# KiCad board kicad.kicad_pcb
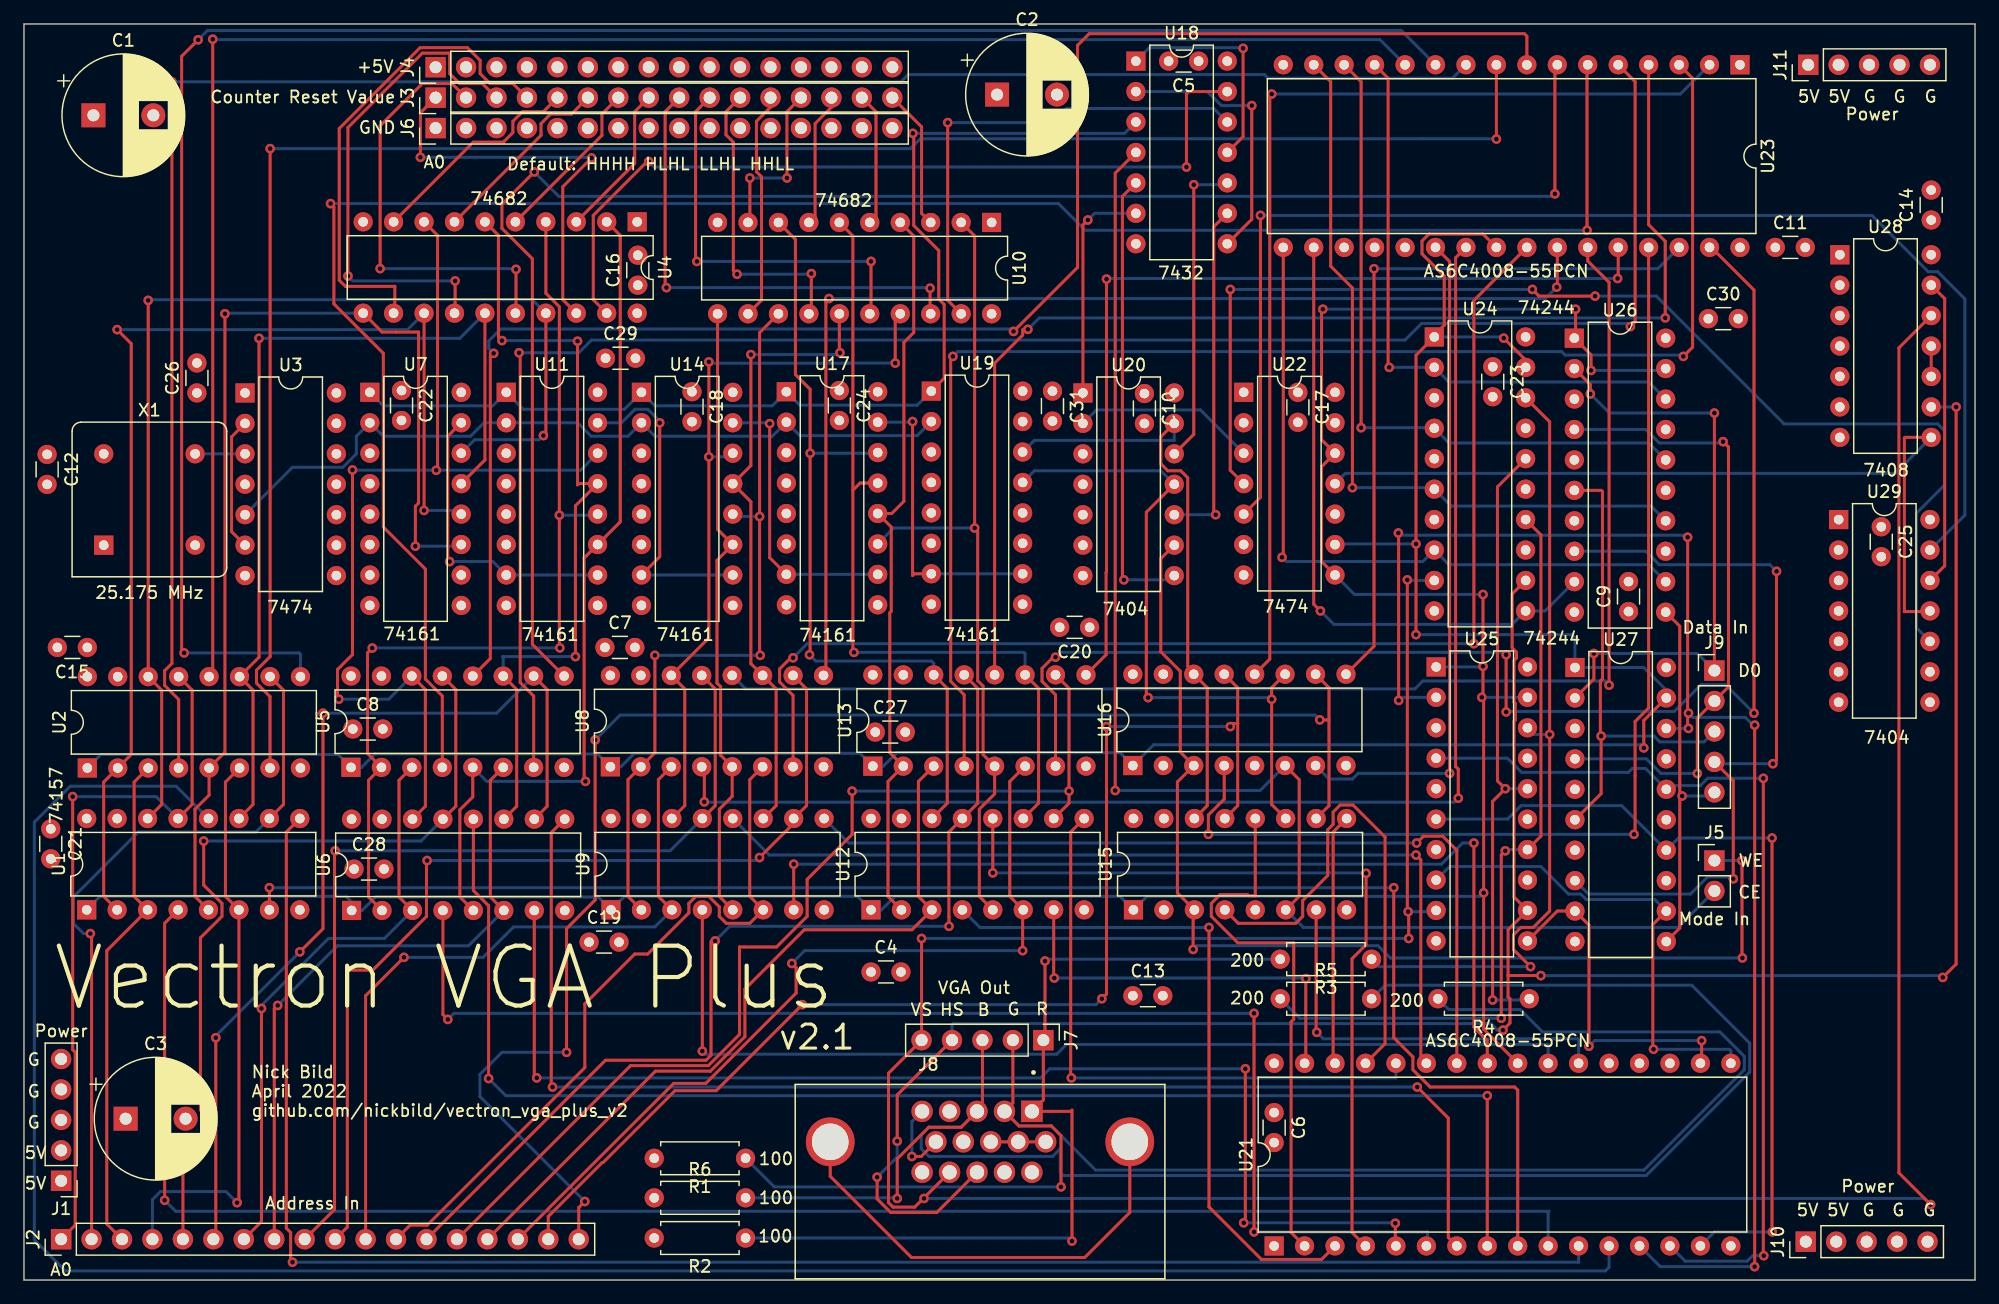
[diagram p0: board, top side]
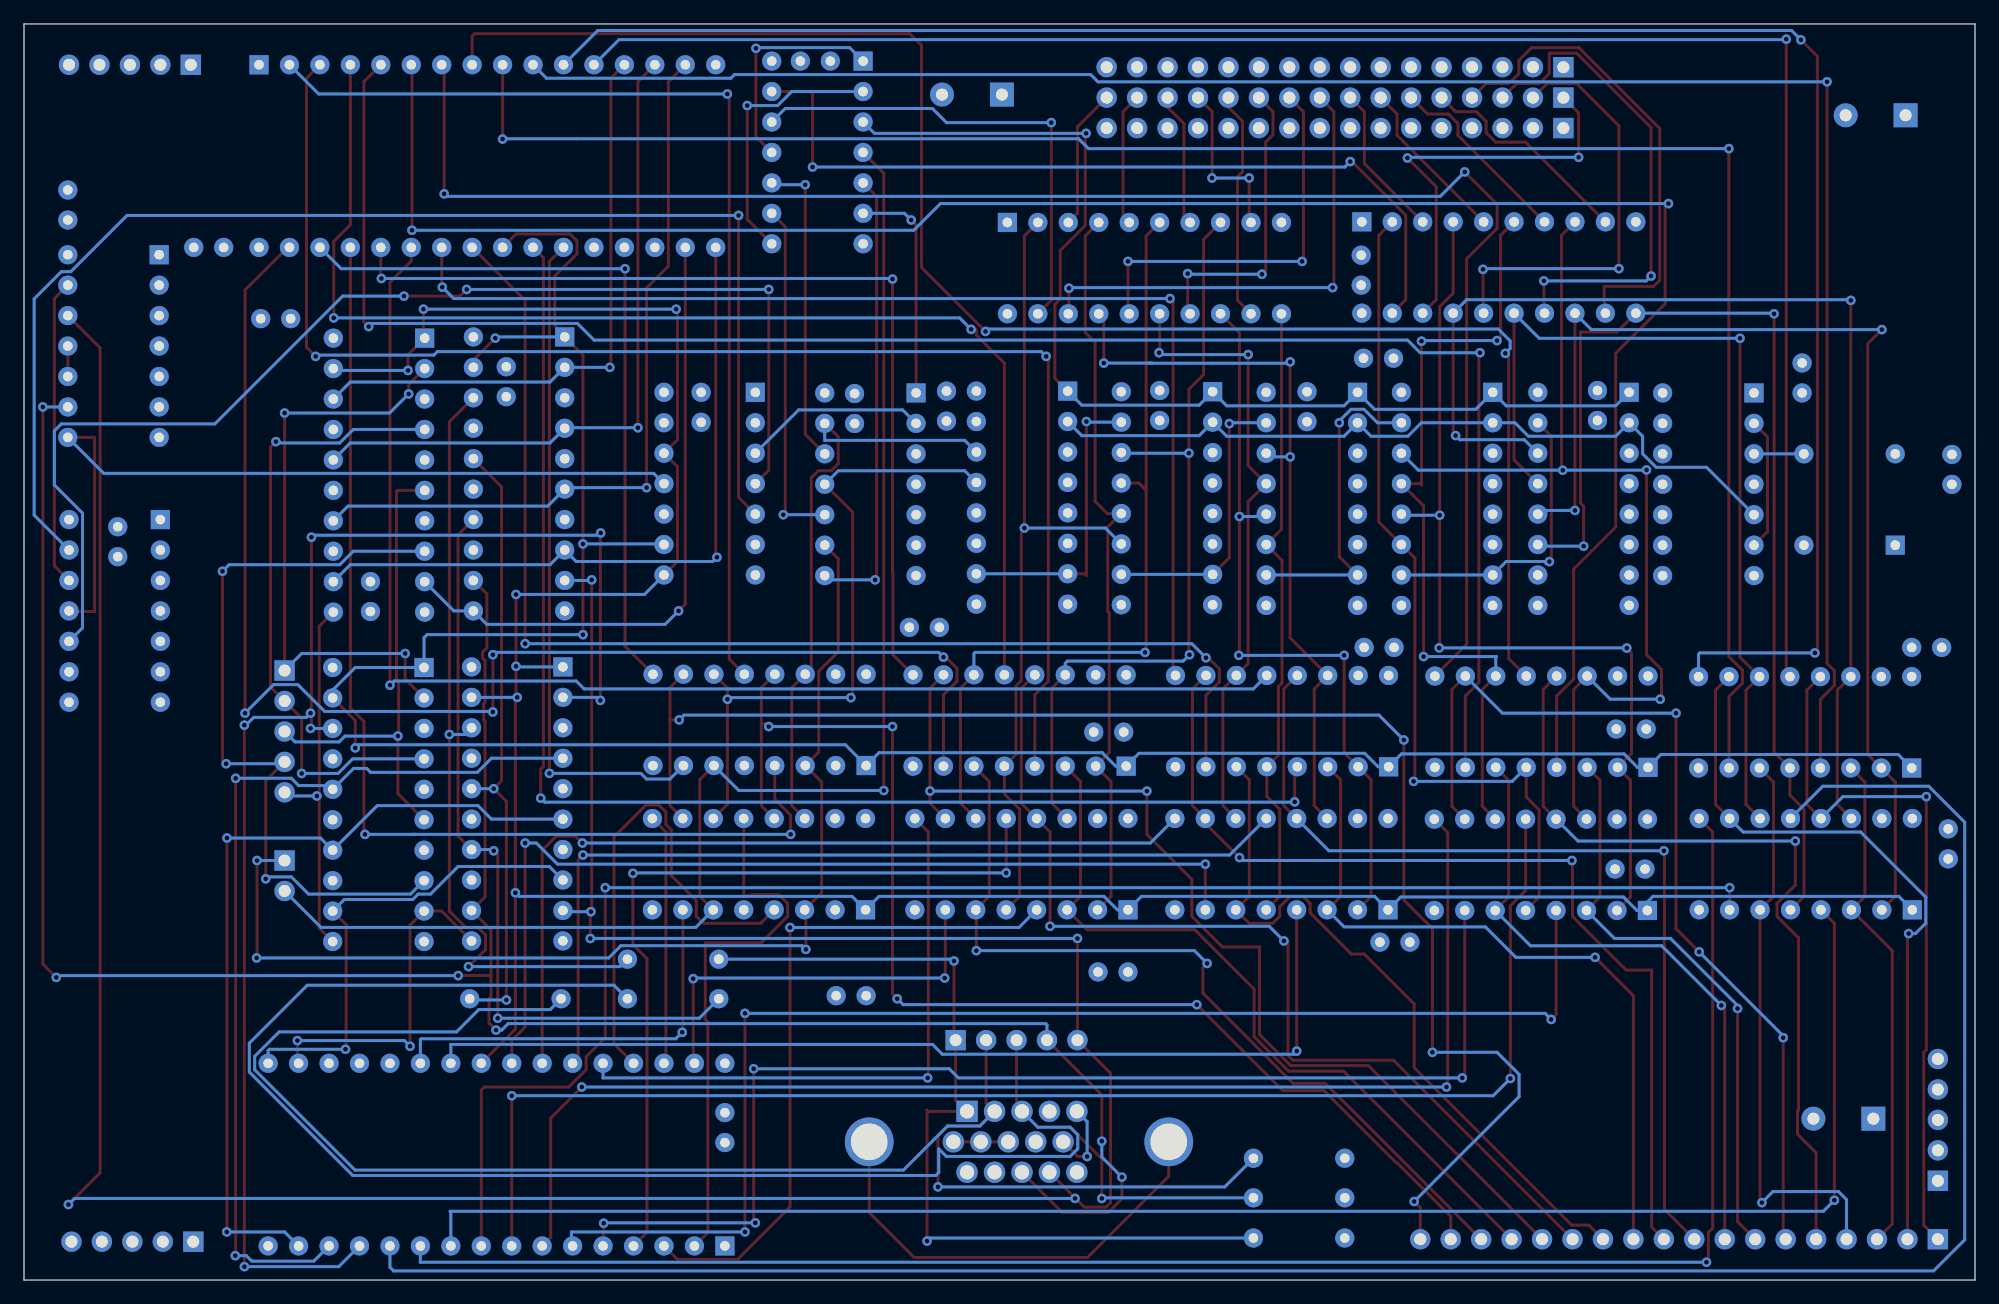
[diagram p1: board, bottom side, seen from below]

Outline 162.76 x 104.8 mm; copper layers: Top, GND (plane), PWR (plane), Bottom. Coordinates in mm from the lower left corner of the outline.
Outline path: 0,104.8 162.76,104.8 162.76,0 0,0 0,104.8

## Placement (name value [footprint] x y rotation side)
C1  CP  [CP_Radial_D10.0mm_P5.00mm]  5.79 97.18 0 top
C2  CP  [CP_Radial_D10.0mm_P5.00mm]  81.18 98.91 0 top
C3  CP  [CP_Radial_D10.0mm_P5.00mm]  8.48 13.46 0 top
C4  C  [C_Disc_D3.0mm_W1.6mm_P2.50mm]  70.66 25.7 0 top
C5  C  [C_Disc_D3.0mm_W1.6mm_P2.50mm]  97.99 101.7 180 top
C6  C  [C_Disc_D3.0mm_W1.6mm_P2.50mm]  104.29 13.97 270 top
C7  C  [C_Disc_D3.0mm_W1.6mm_P2.50mm]  48.46 52.78 0 top
C8  C  [C_Disc_D3.0mm_W1.6mm_P2.50mm]  27.43 45.97 0 top
C9  C  [C_Disc_D3.0mm_W1.6mm_P2.50mm]  133.86 55.78 90 top
C10  C  [C_Disc_D3.0mm_W1.6mm_P2.50mm]  93.47 73.96 270 top
C11  C  [C_Disc_D3.0mm_W1.6mm_P2.50mm]  146.1 86.16 0 top
C12  C  [C_Disc_D3.0mm_W1.6mm_P2.50mm]  1.93 68.88 270 top
C13  C  [C_Disc_D3.0mm_W1.6mm_P2.50mm]  92.51 23.72 0 top
C14  C  [C_Disc_D3.0mm_W1.6mm_P2.50mm]  159.11 88.44 90 top
C15  C  [C_Disc_D3.0mm_W1.6mm_P2.50mm]  5.28 52.78 180 top
C16  C  [C_Disc_D3.0mm_W1.6mm_P2.50mm]  51.21 83.01 90 top
C17  C  [C_Disc_D3.0mm_W1.6mm_P2.50mm]  106.27 74.07 270 top
C18  C  [C_Disc_D3.0mm_W1.6mm_P2.50mm]  55.73 74.12 270 top
C19  C  [C_Disc_D3.0mm_W1.6mm_P2.50mm]  47.14 28.19 0 top
C20  C  [C_Disc_D3.0mm_W1.6mm_P2.50mm]  88.9 54.46 180 top
C21  C  [C_Disc_D3.0mm_W1.6mm_P2.50mm]  2.24 37.64 270 top
C22  C  [C_Disc_D3.0mm_W1.6mm_P2.50mm]  31.5 74.22 270 top
C23  C  [C_Disc_D3.0mm_W1.6mm_P2.50mm]  122.53 76.2 270 top
C24  C  [C_Disc_D3.0mm_W1.6mm_P2.50mm]  68.02 74.22 270 top
C25  C  [C_Disc_D3.0mm_W1.6mm_P2.50mm]  154.94 62.85 270 top
C26  C  [C_Disc_D3.0mm_W1.6mm_P2.50mm]  14.43 74.02 90 top
C27  C  [C_Disc_D3.0mm_W1.6mm_P2.50mm]  71.02 45.72 0 top
C28  C  [C_Disc_D3.0mm_W1.6mm_P2.50mm]  27.53 34.29 0 top
C29  C  [C_Disc_D3.0mm_W1.6mm_P2.50mm]  48.51 76.91 0 top
C30  C  [C_Disc_D3.0mm_W1.6mm_P2.50mm]  140.51 80.21 0 top
C31  C  [C_Disc_D3.0mm_W1.6mm_P2.50mm]  85.8 74.17 270 top
J1  Power  [PinHeader_1x05_P2.54mm_Vertical]  3.1 8.28 180 top
J2  Address In  [PinHeader_1x18_P2.54mm_Vertical]  3.1 3.4 90 top
J3  Counter Reset Value  [PinHeader_1x16_P2.54mm_Vertical]  34.34 98.65 90 top
J4  5V  [PinHeader_1x16_P2.54mm_Vertical]  34.34 101.19 90 top
J5  Mode In  [PinHeader_1x02_P2.54mm_Vertical]  141.02 35 0 top
J6  GND  [PinHeader_1x16_P2.54mm_Vertical]  34.34 96.11 90 top
J7  VGA Out  [PinHeader_1x05_P2.54mm_Vertical]  85.04 20.02 270 top
J8  L77HDE15SD1CH4F  [AMPHENOL_L77HDE15SD1CH4F]  79.76 11.53 0 top
J9  Data In  [PinHeader_1x05_P2.54mm_Vertical]  141.02 50.85 0 top
J10  Power  [PinHeader_1x05_P2.54mm_Vertical]  148.64 3.2 90 top
J11  Power  [PinHeader_1x05_P2.54mm_Vertical]  148.84 101.4 90 top
R1  100  [R_Axial_DIN0207_L6.3mm_D2.5mm_P7.62mm_Horizontal]  60.2 10.16 180 top
R2  100  [R_Axial_DIN0207_L6.3mm_D2.5mm_P7.62mm_Horizontal]  60.2 3.51 180 top
R3  200  [R_Axial_DIN0207_L6.3mm_D2.5mm_P7.62mm_Horizontal]  112.42 26.77 180 top
R4  200  [R_Axial_DIN0207_L6.3mm_D2.5mm_P7.62mm_Horizontal]  125.58 23.47 180 top
R5  200  [R_Axial_DIN0207_L6.3mm_D2.5mm_P7.62mm_Horizontal]  104.8 23.47 0 top
R6  100  [R_Axial_DIN0207_L6.3mm_D2.5mm_P7.62mm_Horizontal]  52.58 6.86 0 top
U1  74LS157  [DIP-16_W7.62mm]  5.23 30.89 90 top
U2  74LS157  [DIP-16_W7.62mm]  5.28 42.72 90 top
U3  SN74LS74AN  [DIP-14_W7.62mm]  18.44 74.02 0 top
U4  SN74LS682N  [DIP-20_W7.62mm]  51.16 88.29 270 top
U5  74LS157  [DIP-16_W7.62mm]  27.28 42.77 90 top
U6  74LS157  [DIP-16_W7.62mm]  27.33 30.84 90 top
U7  74LS161  [DIP-16_W7.62mm]  28.85 74.07 0 top
U8  74LS157  [DIP-16_W7.62mm]  48.92 42.82 90 top
U9  74LS157  [DIP-16_W7.62mm]  48.97 30.89 90 top
U10  SN74LS682N  [DIP-20_W7.62mm]  80.72 88.24 270 top
U11  74LS161  [DIP-16_W7.62mm]  40.23 74.07 0 top
U12  74LS157  [DIP-16_W7.62mm]  70.66 30.89 90 top
U13  74LS157  [DIP-16_W7.62mm]  70.82 42.88 90 top
U14  74LS161  [DIP-16_W7.62mm]  51.51 74.07 0 top
U15  74LS157  [DIP-16_W7.62mm]  92.56 30.89 90 top
U16  74LS157  [DIP-16_W7.62mm]  92.51 42.93 90 top
U17  74LS161  [DIP-16_W7.62mm]  63.6 74.12 0 top
U18  SN74HC32N  [DIP-14_W7.62mm]  92.76 101.7 0 top
U19  74LS161  [DIP-16_W7.62mm]  75.69 74.17 0 top
U20  SN74LS04N  [DIP-14_W7.62mm]  88.34 74.02 0 top
U21  AS6C4008-55PCN  [DIP-32_W15.24mm]  104.29 2.84 90 top
U22  SN74LS74AN  [DIP-14_W7.62mm]  101.75 74.07 0 top
U23  AS6C4008-55PCN  [DIP-32_W15.24mm]  143.15 101.4 270 top
U24  SN74LS244N  [DIP-20_W7.62mm]  117.65 78.69 0 top
U25  SN74LS244N  [DIP-20_W7.62mm]  117.81 51.16 0 top
U26  SN74LS244N  [DIP-20_W7.62mm]  129.34 78.59 0 top
U27  SN74LS244N  [DIP-20_W7.62mm]  129.39 51.1 0 top
U28  SN74LS08N  [DIP-14_W7.62mm]  151.49 85.55 0 top
U29  SN74LS04N  [DIP-14_W7.62mm]  151.38 63.45 0 top
X1  CXO_DIP8  [Oscillator_DIP-8]  6.65 61.32 0 top

## Footprints (pads in the part's own frame, mm; a bottom-side part is the same pattern mirrored in y, then rotated)
AMPHENOL_L77HDE15SD1CH4F
  rect 1.785x1.785 hole 1.19: 1(4.33,2.54)
  round 1.785 hole 1.19: 2(2.04,2.54) 3(-0.25,2.54) 4(-2.54,2.54) 5(-4.83,2.54) 6(5.475,0) 7(3.185,0) 8(0.895,0) 9(-1.395,0) 10(-3.685,0) 11(4.33,-2.54) 12(2.04,-2.54) 13(-0.25,-2.54) 14(-2.54,-2.54) 15(-4.83,-2.54)
  round 4.066 hole 3.05: S1(-12.495,0) S2(12.495,0)
C_Disc_D3.0mm_W1.6mm_P2.50mm
  round 1.6 hole 0.8: 1(0,0) 2(2.5,0)
CP_Radial_D10.0mm_P5.00mm
  rect 2x2 hole 1: 1(0,0)
  round 2 hole 1: 2(5,0)
DIP-14_W7.62mm
  rect 1.6x1.6 hole 0.8: 1(0,0)
  oval 1.6x1.6 hole 0.8: 2(0,-2.54) 3(0,-5.08) 4(0,-7.62) 5(0,-10.16) 6(0,-12.7) 7(0,-15.24) 8(7.62,-15.24) 9(7.62,-12.7) 10(7.62,-10.16) 11(7.62,-7.62) 12(7.62,-5.08) 13(7.62,-2.54) 14(7.62,0)
DIP-16_W7.62mm
  rect 1.6x1.6 hole 0.8: 1(0,0)
  oval 1.6x1.6 hole 0.8: 2(0,-2.54) 3(0,-5.08) 4(0,-7.62) 5(0,-10.16) 6(0,-12.7) 7(0,-15.24) 8(0,-17.78) 9(7.62,-17.78) 10(7.62,-15.24) 11(7.62,-12.7) 12(7.62,-10.16) 13(7.62,-7.62) 14(7.62,-5.08) 15(7.62,-2.54) 16(7.62,0)
DIP-20_W7.62mm
  rect 1.6x1.6 hole 0.8: 1(0,0)
  oval 1.6x1.6 hole 0.8: 2(0,-2.54) 3(0,-5.08) 4(0,-7.62) 5(0,-10.16) 6(0,-12.7) 7(0,-15.24) 8(0,-17.78) 9(0,-20.32) 10(0,-22.86) 11(7.62,-22.86) 12(7.62,-20.32) 13(7.62,-17.78) 14(7.62,-15.24) 15(7.62,-12.7) 16(7.62,-10.16) 17(7.62,-7.62) 18(7.62,-5.08) 19(7.62,-2.54) 20(7.62,0)
DIP-32_W15.24mm
  rect 1.6x1.6 hole 0.8: 1(0,0)
  oval 1.6x1.6 hole 0.8: 2(0,-2.54) 3(0,-5.08) 4(0,-7.62) 5(0,-10.16) 6(0,-12.7) 7(0,-15.24) 8(0,-17.78) 9(0,-20.32) 10(0,-22.86) 11(0,-25.4) 12(0,-27.94) 13(0,-30.48) 14(0,-33.02) 15(0,-35.56) 16(0,-38.1) 17(15.24,-38.1) 18(15.24,-35.56) 19(15.24,-33.02) 20(15.24,-30.48) 21(15.24,-27.94) 22(15.24,-25.4) 23(15.24,-22.86) 24(15.24,-20.32) 25(15.24,-17.78) 26(15.24,-15.24) 27(15.24,-12.7) 28(15.24,-10.16) 29(15.24,-7.62) 30(15.24,-5.08) 31(15.24,-2.54) 32(15.24,0)
Oscillator_DIP-8
  rect 1.6x1.6 hole 0.8: 1(0,0)
  round 1.6 hole 0.8: 4(7.62,0) 5(7.62,7.62) 8(0,7.62)
PinHeader_1x02_P2.54mm_Vertical
  rect 1.7x1.7 hole 1: 1(0,0)
  oval 1.7x1.7 hole 1: 2(0,-2.54)
PinHeader_1x05_P2.54mm_Vertical
  rect 1.7x1.7 hole 1: 1(0,0)
  oval 1.7x1.7 hole 1: 2(0,-2.54) 3(0,-5.08) 4(0,-7.62) 5(0,-10.16)
PinHeader_1x16_P2.54mm_Vertical
  rect 1.7x1.7 hole 1: 1(0,0)
  oval 1.7x1.7 hole 1: 2(0,-2.54) 3(0,-5.08) 4(0,-7.62) 5(0,-10.16) 6(0,-12.7) 7(0,-15.24) 8(0,-17.78) 9(0,-20.32) 10(0,-22.86) 11(0,-25.4) 12(0,-27.94) 13(0,-30.48) 14(0,-33.02) 15(0,-35.56) 16(0,-38.1)
PinHeader_1x18_P2.54mm_Vertical
  rect 1.7x1.7 hole 1: 1(0,0)
  oval 1.7x1.7 hole 1: 2(0,-2.54) 3(0,-5.08) 4(0,-7.62) 5(0,-10.16) 6(0,-12.7) 7(0,-15.24) 8(0,-17.78) 9(0,-20.32) 10(0,-22.86) 11(0,-25.4) 12(0,-27.94) 13(0,-30.48) 14(0,-33.02) 15(0,-35.56) 16(0,-38.1) 17(0,-40.64) 18(0,-43.18)
R_Axial_DIN0207_L6.3mm_D2.5mm_P7.62mm_Horizontal
  round 1.6 hole 0.8: 1(0,0)
  oval 1.6x1.6 hole 0.8: 2(7.62,0)

## Nets
+5V: C1.1 C2.1 C3.1 C4.1 C5.1 C6.1 C7.1 C8.1 C9.1 C10.1 C11.1 C12.1 C13.1 C14.1 C15.1 C16.1 C17.1 C18.1 C19.1 C20.1 C21.1 C22.1 C23.1 C24.1 C25.1 C26.1 C27.1 C28.1 C29.1 C30.1 C31.1 J1.1 J1.2 J4.1 J4.2 J4.3 J4.4 J4.5 J4.6 J4.7 J4.8 J4.9 J4.10 J4.11 J4.12 J4.13 J4.14 J4.15 J4.16 J10.1 J10.2 J11.1 J11.2 U1.16 U2.16 U3.1 U3.4 U3.14 U4.20 U5.16 U6.16 U7.7 U7.9 U7.10 U7.16 U8.16 U9.16 U10.20 U11.9 U11.16 U12.16 U13.16 U14.9 U14.16 U15.2 U15.16 U16.2 U16.16 U17.9 U17.16 U18.14 U19.9 U19.16 U20.14 U21.32 U22.1 U22.10 U22.13 U22.14 U23.32 U24.20 U25.20 U26.20 U27.20 U28.14 U29.14 X1.8
GND: C1.2 C2.2 C3.2 C4.2 C5.2 C6.2 C7.2 C8.2 C9.2 C10.2 C11.2 C12.2 C13.2 C14.2 C15.2 C16.2 C17.2 C18.2 C19.2 C20.2 C21.2 C22.2 C23.2 C24.2 C25.2 C26.2 C27.2 C28.2 C29.2 C30.2 C31.2 J1.3 J1.4 J1.5 J6.1 J6.2 J6.3 J6.4 J6.5 J6.6 J6.7 J6.8 J6.9 J6.10 J6.11 J6.12 J6.13 J6.14 J6.15 J6.16 J8.5 J8.6 J8.7 J8.8 J8.10 J10.3 J10.4 J10.5 J11.3 J11.4 J11.5 R1.2 R2.2 R6.1 U1.8 U1.15 U2.8 U2.15 U3.7 U4.10 U5.8 U5.15 U6.8 U6.15 U7.8 U8.8 U8.15 U9.8 U9.15 U10.10 U11.8 U12.8 U12.15 U13.8 U13.15 U14.8 U15.5 U15.8 U15.15 U16.5 U16.8 U16.15 U17.8 U18.7 U19.8 U20.7 U21.1 U21.16 U22.2 U22.7 U23.1 U23.16 U24.10 U25.10 U26.10 U27.10 U28.7 U29.7 X1.4
Net-(J2-Pad1): J2.1 U1.13 U2.13
Net-(J2-Pad2): J2.2 U1.10 U2.10
Net-(J2-Pad3): J2.3 U1.3 U2.3
Net-(J2-Pad4): J2.4 U1.6 U2.6
Net-(J2-Pad5): J2.5 U5.13 U6.13
Net-(J2-Pad6): J2.6 U5.10 U6.10
Net-(J2-Pad7): J2.7 U5.3 U6.3
Net-(J2-Pad8): J2.8 U5.6 U6.6
Net-(J2-Pad9): J2.9 U8.13 U9.13
Net-(J2-Pad10): J2.10 U8.10 U9.10
Net-(J2-Pad11): J2.11 U8.3 U9.3
Net-(J2-Pad12): J2.12 U8.6 U9.6
Net-(J2-Pad13): J2.13 U12.13 U13.13
Net-(J2-Pad14): J2.14 U12.10 U13.10
Net-(J2-Pad15): J2.15 U12.3 U13.3
Net-(J2-Pad16): J2.16 U12.6 U13.6
Net-(J2-Pad17): J2.17 U15.13 U16.13
Net-(J2-Pad18): J2.18 U15.10 U16.10
Net-(J3-Pad1): J3.1 U4.18
Net-(J3-Pad2): J3.2 U4.16
Net-(J3-Pad3): J3.3 U4.14
Net-(J3-Pad4): J3.4 U4.12
Net-(J3-Pad5): J3.5 U4.9
Net-(J3-Pad6): J3.6 U4.7
Net-(J3-Pad7): J3.7 U4.5
Net-(J3-Pad8): J3.8 U4.3
Net-(J3-Pad9): J3.9 U10.18
Net-(J3-Pad10): J3.10 U10.16
Net-(J3-Pad11): J3.11 U10.14
Net-(J3-Pad12): J3.12 U10.12
Net-(J3-Pad13): J3.13 U10.9
Net-(J3-Pad14): J3.14 U10.7
Net-(J3-Pad15): J3.15 U10.5
Net-(J3-Pad16): J3.16 U10.3
Net-(J5-Pad1): J5.1 U15.3 U16.3 U20.9
Net-(J5-Pad2): J5.2 U15.6 U16.6 U18.4
Net-(J7-Pad1): J7.1 J8.1 R2.1 R3.2
Net-(J7-Pad2): J7.2 J8.2 R1.1 R4.2
Net-(J7-Pad3): J7.3 J8.3 R5.2 R6.2
Net-(J7-Pad4): J7.4 J8.13 U24.12 U25.12 U28.9
Net-(J7-Pad5): J7.5 J8.14 U24.9 U25.9 U28.12
Net-(J8-Pad4): J8.4
Net-(J8-Pad9): J8.9
Net-(J8-Pad11): J8.11
Net-(J8-Pad12): J8.12
Net-(J8-Pad15): J8.15
Net-(J8-PadS1): J8.S1 J8.S2
Net-(J9-Pad1): J9.1 U26.2 U27.2
Net-(J9-Pad2): J9.2 U26.4 U27.4
Net-(J9-Pad3): J9.3 U26.6 U27.6
Net-(J9-Pad4): J9.4 U26.8 U27.8
Net-(J9-Pad5): J9.5 U26.11 U27.11
Net-(R3-Pad1): R3.1 U24.18 U25.18
Net-(R4-Pad1): R4.1 U24.16 U25.16
Net-(R5-Pad1): R5.1 U24.14 U25.14
Net-(U1-Pad1): U1.1 U6.1 U9.1 U12.1 U15.1 U21.24 U22.8 U22.12 U25.1 U25.19 U26.1 U26.19
Net-(U1-Pad2): U1.2 U2.2 U4.13 U7.12
Net-(U1-Pad4): U1.4 U21.10
Net-(U1-Pad5): U1.5 U2.5 U4.11 U7.11
Net-(U1-Pad7): U1.7 U21.9
Net-(U1-Pad9): U1.9 U21.11
Net-(U1-Pad11): U1.11 U2.11 U4.15 U7.13
Net-(U1-Pad12): U1.12 U21.12
Net-(U1-Pad14): U1.14 U2.14 U4.17 U7.14
Net-(U2-Pad4): U2.4 U23.10
Net-(U2-Pad7): U2.7 U23.9
Net-(U2-Pad9): U2.9 U23.11
Net-(U2-Pad12): U2.12 U23.12
Net-(U3-Pad2): U3.2 U3.6
Net-(U3-Pad3): U3.3 X1.5
Net-(U3-Pad8): U3.8
Net-(U3-Pad9): U3.9
Net-(U3-Pad10): U3.10
Net-(U3-Pad11): U3.11
Net-(U3-Pad12): U3.12
Net-(U3-Pad13): U3.13
Net-(U4-Pad1): U4.1
Net-(U7-Pad3): U7.3
Net-(U7-Pad4): U7.4
Net-(U7-Pad5): U7.5
Net-(U7-Pad6): U7.6
Net-(U10-Pad1): U10.1
Net-(U10-Pad2): U10.2 U12.5 U13.5 U17.11
Net-(U10-Pad4): U10.4 U12.2 U13.2 U17.12
Net-(U10-Pad6): U10.6 U12.11 U13.11 U17.13
Net-(U10-Pad8): U10.8 U12.14 U13.14 U17.14
Net-(U10-Pad11): U8.5 U9.5 U10.11 U14.11
Net-(U10-Pad13): U8.2 U9.2 U10.13 U14.12
Net-(U10-Pad15): U8.11 U9.11 U10.15 U14.13
Net-(U10-Pad17): U8.14 U9.14 U10.17 U14.14
Net-(U10-Pad19): U10.19 U18.12
Net-(U11-Pad1): U7.1 U11.1 U14.1 U17.1 U18.3 U19.1
Net-(U11-Pad2): U3.5 U7.2 U11.2 U14.2 U17.2 U19.2
Net-(U11-Pad3): U11.3
Net-(U11-Pad4): U11.4
Net-(U11-Pad5): U11.5
Net-(U11-Pad6): U11.6
Net-(U11-Pad10): U7.15 U11.7 U11.10
Net-(U11-Pad11): U4.2 U5.5 U6.5 U11.11
Net-(U11-Pad12): U4.4 U5.2 U6.2 U11.12
Net-(U11-Pad13): U4.6 U5.11 U6.11 U11.13
Net-(U11-Pad14): U4.8 U5.14 U6.14 U11.14
Net-(U11-Pad15): U11.15 U14.7 U14.10
Net-(U12-Pad4): U12.4 U21.3
Net-(U12-Pad7): U12.7 U21.31
Net-(U12-Pad9): U12.9 U21.28
Net-(U12-Pad12): U12.12 U21.4
Net-(U13-Pad1): U2.1 U5.1 U8.1 U13.1 U16.1 U22.9 U23.24 U24.1 U24.19 U27.1 U27.19
Net-(U13-Pad4): U13.4 U23.3
Net-(U13-Pad7): U13.7 U23.31
Net-(U13-Pad9): U13.9 U23.28
Net-(U13-Pad12): U13.12 U23.4
Net-(U14-Pad3): U14.3
Net-(U14-Pad4): U14.4
Net-(U14-Pad5): U14.5
Net-(U14-Pad6): U14.6
Net-(U14-Pad15): U14.15 U17.7 U17.10
Net-(U15-Pad4): U15.4 U21.29
Net-(U15-Pad7): U15.7 U21.22
Net-(U15-Pad9): U15.9 U21.30
Net-(U15-Pad11): U15.11 U16.11 U19.13 U20.11
Net-(U15-Pad12): U15.12 U21.2
Net-(U15-Pad14): U15.14 U16.14 U19.14 U20.13
Net-(U16-Pad4): U16.4 U23.29
Net-(U16-Pad7): U16.7 U23.22
Net-(U16-Pad9): U16.9 U23.30
Net-(U16-Pad12): U16.12 U23.2
Net-(U17-Pad3): U17.3
Net-(U17-Pad4): U17.4
Net-(U17-Pad5): U17.5
Net-(U17-Pad6): U17.6
Net-(U17-Pad15): U17.15 U19.7 U19.10
Net-(U18-Pad1): U18.1 U18.11
Net-(U18-Pad2): U18.2 U18.8
Net-(U18-Pad5): U18.5 U20.8
Net-(U18-Pad6): U18.6 U20.1
Net-(U18-Pad9): U18.9 U20.10
Net-(U18-Pad10): U18.10 U20.12
Net-(U18-Pad13): U4.19 U18.13
Net-(U19-Pad3): U19.3
Net-(U19-Pad4): U19.4
Net-(U19-Pad5): U19.5
Net-(U19-Pad6): U19.6
Net-(U19-Pad11): U19.11
Net-(U19-Pad12): U19.12
Net-(U19-Pad15): U19.15
Net-(U20-Pad2): U20.2 U22.3
Net-(U20-Pad3): U20.3
Net-(U20-Pad4): U20.4
Net-(U20-Pad5): U20.5
Net-(U20-Pad6): U20.6
Net-(U21-Pad5): U6.7 U21.5
Net-(U21-Pad6): U6.4 U21.6
Net-(U21-Pad7): U6.9 U21.7
Net-(U21-Pad8): U6.12 U21.8
Net-(U21-Pad13): U21.13 U25.2 U27.18
Net-(U21-Pad14): U21.14 U25.4 U27.16
Net-(U21-Pad15): U21.15 U25.6 U27.14
Net-(U21-Pad17): U21.17 U25.8 U27.12
Net-(U21-Pad18): U21.18 U25.11 U27.9
Net-(U21-Pad19): U21.19
Net-(U21-Pad20): U21.20
Net-(U21-Pad21): U21.21
Net-(U21-Pad23): U9.4 U21.23
Net-(U21-Pad25): U9.7 U21.25
Net-(U21-Pad26): U9.9 U21.26
Net-(U21-Pad27): U9.12 U21.27
Net-(U22-Pad4): U22.4 U29.10
Net-(U22-Pad5): U22.5 U29.13
Net-(U22-Pad6): U22.6
Net-(U22-Pad11): U22.11 U28.8 U29.11
Net-(U23-Pad5): U5.7 U23.5
Net-(U23-Pad6): U5.4 U23.6
Net-(U23-Pad7): U5.9 U23.7
Net-(U23-Pad8): U5.12 U23.8
Net-(U23-Pad13): U23.13 U24.2 U26.18
Net-(U23-Pad14): U23.14 U24.4 U26.16
Net-(U23-Pad15): U23.15 U24.6 U26.14
Net-(U23-Pad17): U23.17 U24.8 U26.12
Net-(U23-Pad18): U23.18 U24.11 U26.9
Net-(U23-Pad19): U23.19
Net-(U23-Pad20): U23.20
Net-(U23-Pad21): U23.21
Net-(U23-Pad23): U8.4 U23.23
Net-(U23-Pad25): U8.7 U23.25
Net-(U23-Pad26): U8.9 U23.26
Net-(U23-Pad27): U8.12 U23.27
Net-(U24-Pad3): U24.3
Net-(U24-Pad5): U24.5
Net-(U24-Pad7): U24.7
Net-(U24-Pad13): U24.13
Net-(U24-Pad15): U24.15
Net-(U24-Pad17): U24.17
Net-(U25-Pad3): U25.3
Net-(U25-Pad5): U25.5
Net-(U25-Pad7): U25.7
Net-(U25-Pad13): U25.13
Net-(U25-Pad15): U25.15
Net-(U25-Pad17): U25.17
Net-(U26-Pad3): U26.3
Net-(U26-Pad5): U26.5
Net-(U26-Pad7): U26.7
Net-(U26-Pad13): U26.13
Net-(U26-Pad15): U26.15
Net-(U26-Pad17): U26.17
Net-(U27-Pad3): U27.3
Net-(U27-Pad5): U27.5
Net-(U27-Pad7): U27.7
Net-(U27-Pad13): U27.13
Net-(U27-Pad15): U27.15
Net-(U27-Pad17): U27.17
Net-(U28-Pad1): U28.1
Net-(U28-Pad2): U28.2
Net-(U28-Pad3): U28.3
Net-(U28-Pad4): U28.4
Net-(U28-Pad5): U28.5
Net-(U28-Pad6): U28.6
Net-(U28-Pad10): U28.10 U28.11
Net-(U28-Pad13): U28.13 U29.12
Net-(U29-Pad1): U29.1
Net-(U29-Pad2): U29.2
Net-(U29-Pad3): U29.3
Net-(U29-Pad4): U29.4
Net-(U29-Pad5): U29.5
Net-(U29-Pad6): U29.6
Net-(U29-Pad8): U29.8
Net-(U29-Pad9): U29.9
Net-(X1-Pad1): X1.1

## Via types
v1: diameter 0.8, hole 0.4, Top to Bottom, 220 vias

## Routing (per net, layer and track width the routed paths; a pad name or vN(x,y) marks a point on that pad's centre or on a via; arc(x,y) is an arc through that point)
GND: length 11.2
  Top w0.25: J8.10 74.85,10.31 v1(74.07,10.31) ; J8.8 J8.7 J8.6
  Bottom w0.25: J8.5 74.07,13.22 v1(74.07,10.31)
Net-(J2-Pad1): length 59.8
  Top w0.25: J2.1 4.27,4.58 4.27,19 4.06,19.21 v1(4.06,40.34) ; U2.13 14.03,49.22 14.03,39.68 U1.13
  Bottom w0.25: v1(4.06,40.34) 11.02,40.34 U1.13
Net-(J2-Pad2): length 61.4
  Top w0.25: U2.10 21.65,49.22 21.65,39.68 U1.10 ; J2.2 5.64,28.8 v1(5.54,28.91)
  Bottom w0.25: U1.10 19.35,37.38 9.54,37.38 4.11,31.95 4.11,29.77 4.97,28.91 v1(5.54,28.91)
Net-(J2-Pad3): length 42.2
  Top w0.25: J2.3 6.91,4.67 6.91,27.48 U1.3 9.19,32.01 9.19,41.55 U2.3
Net-(J2-Pad4): length 48.3
  Top w0.25: v1(17.78,6.46) 17.93,6.61 U1.6 16.81,32.01 16.81,41.55 U2.6
  Bottom w0.25: v1(17.78,6.46) 16.86,7.38 11.39,7.38 10.72,6.71 J2.4
Net-(J2-Pad5): length 68.8
  Top w0.25: U5.13 36.02,49.27 36.02,39.53 U6.13 ; J2.5 13.26,10.62 14.81,12.17 14.81,14.1 14.72,14.19 14.72,28.55 16.52,30.35 16.52,31.43 14.99,32.95 v1(14.99,36.63)
  Bottom w0.25: v1(14.99,36.63) 33.12,36.63 U6.13
Net-(J2-Pad6): length 79.4
  Top w0.25: v1(23.01,27.38) 24.94,29.31 v1(24.94,47.29) ; J2.6 16,3.61 v1(16,20.22) ; U6.10 43.64,39.53 43.64,49.27 U5.10
  Bottom w0.25: v1(23.01,27.38) 16,20.37 v1(16,20.22) ; U5.10 39.42,47.29 v1(24.94,47.29)
Net-(J2-Pad7): length 48.8
  Top w0.25: v1(19.81,22.66) 19.81,4.88 J2.7 ; U5.3 31.29,41.7 31.29,31.96 U6.3
  Bottom w0.25: v1(19.81,22.66) 19.81,22.91 25.4,28.5 30.07,28.5 U6.3
Net-(J2-Pad8): length 54.6
  Top w0.25: U6.6 38.91,31.96 38.91,41.7 U5.6 ; J2.8 20.88,22.63 v1(21.16,22.91)
  Bottom w0.25: U6.6 37.08,27.89 26.14,27.89 v1(21.16,22.91)
Net-(J2-Pad9): length 78.1
  Top w0.25: U8.13 57.67,49.32 57.67,39.58 U9.13 ; J2.9 25.91,5.89 25.91,35.76 v1(25.96,35.81)
  Bottom w0.25: v1(25.96,35.81) 53.9,35.81 U9.13
Net-(J2-Pad10): length 81.1
  Top w0.25: v1(61.36,35.25) 64.21,38.1 U9.10 65.29,39.58 65.29,49.32 U8.10 ; v1(33.63,35) 33.58,34.95 33.58,30.34 29.1,25.86 26.97,25.86 26.97,4.42 J2.10
  Bottom w0.25: v1(61.36,35.25) 61.11,35 v1(33.63,35)
Net-(J2-Pad11): length 61.7
  Top w0.25: U8.3 52.93,41.75 52.93,32.01 U9.3 ; v1(31.7,26.92) 28.5,23.72 J2.11
  Bottom w0.25: v1(31.7,26.92) 38.3,26.92 40.84,29.46 52.63,29.46 U9.3
Net-(J2-Pad12): length 60.8
  Top w0.25: J2.12 32.21,4.58 33.64,4.58 46.79,17.72 46.79,23.04 50.95,27.2 52.03,27.2 55.47,30.64 55.47,31.43 56.05,32.01 57.13,32.01 58.01,31.14 58.01,30.35 58.59,29.76 60.55,29.76 U9.6 60.55,32.01 60.55,41.75 U8.6
Net-(J2-Pad13): length 82.4
  Top w0.25: J2.13 48.51,18.34 56.9,18.34 57.32,18.75 57.32,28.23 57.38,28.3 v1(57.66,28.3) ; v1(77.17,29.51) 77.17,30.28 77.16,30.28 77.16,37.38 U12.13 79.56,39.78 79.56,49.37 U13.13
  Bottom w0.25: v1(57.66,28.3) 58.88,29.51 v1(77.17,29.51)